# Altium PCB roach2.PcbDoc (part 30 of 39)
Units mil, origin at the board's own origin, x right, y up, seen from the top; angles counter-clockwise.
Board outline 12007.87 x 9606.3 mil, 16 copper layers (L1_TOP, L2_G, L3_S, L4_G, L5_S, L6_P, L7_G, L8_R, L9_R, L10_P, L11_P, L12_S, L13_P, L14_S, L15_G, L16_BOT), stack 81.651 mil thick; 1608 components, 1934 nets, 9335 pads, 6759 vias.
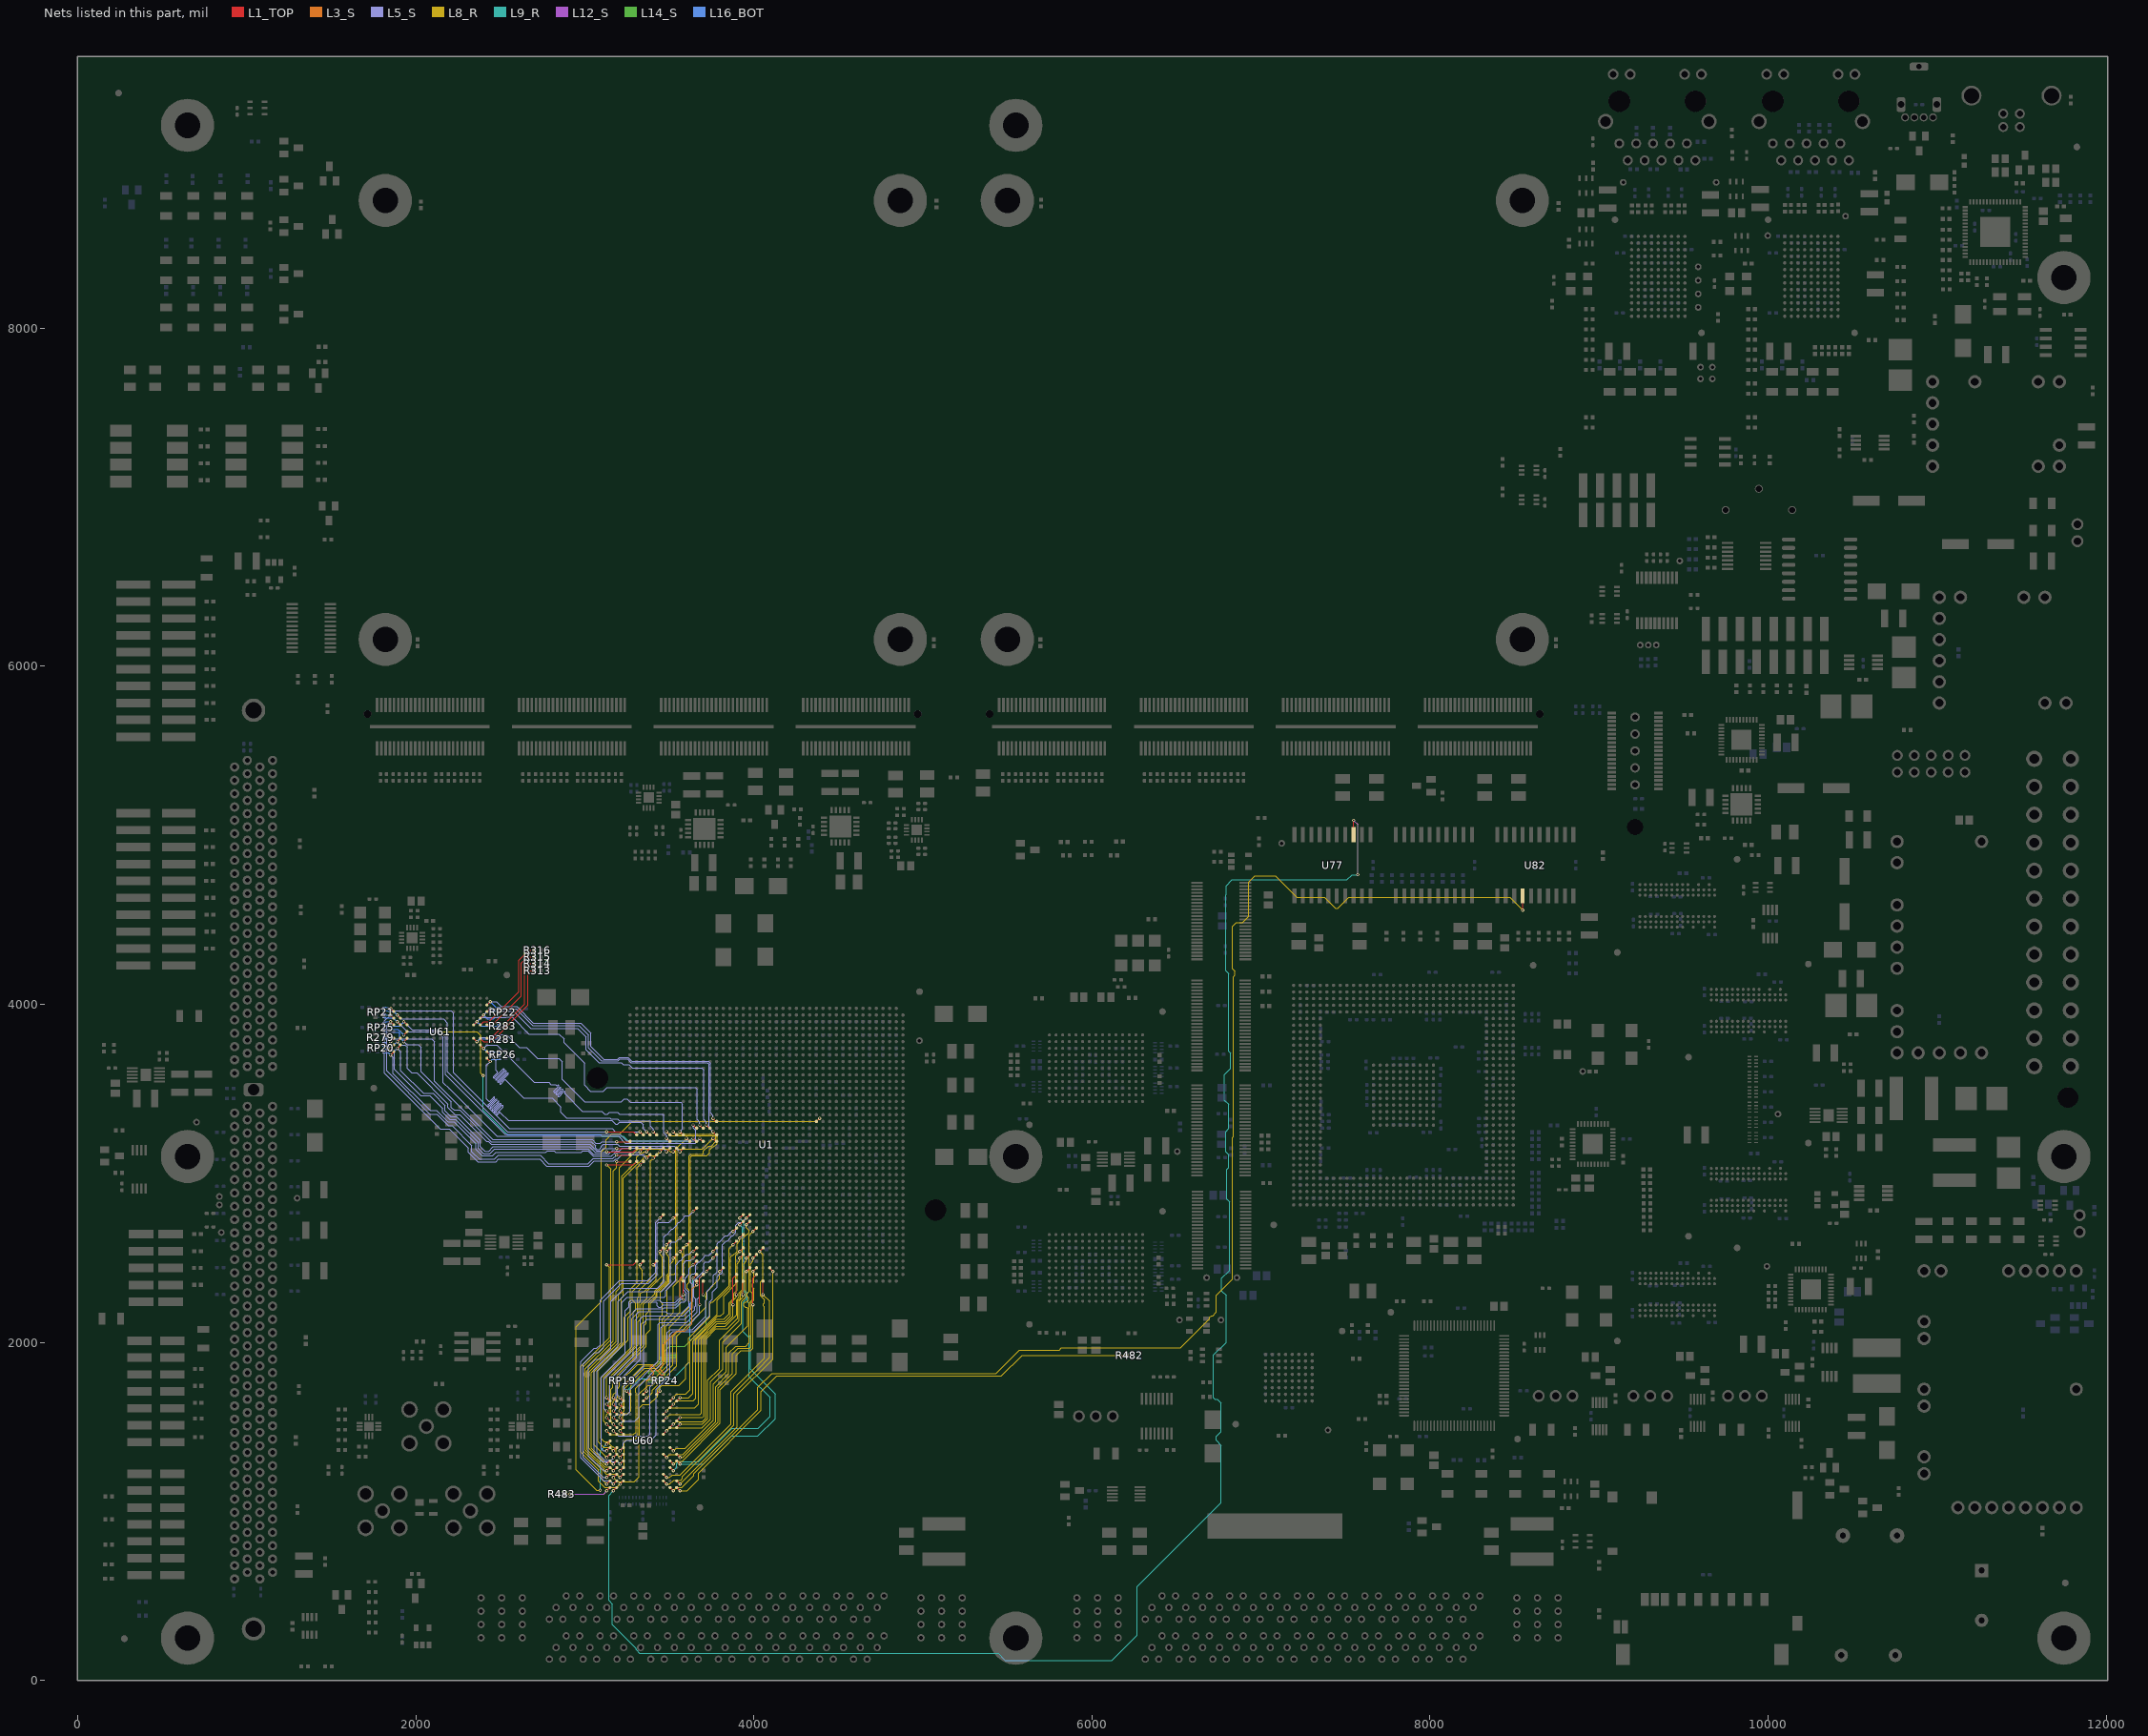
[diagram p44: the nets of this part, all layers, seen from the top]

## Via types
v1: diameter 19.4, hole 10, L1_TOP to L16_BOT, tented both sides, 3354 vias
v2: diameter 19.4, hole 10, L1_TOP to L16_BOT, 1884 vias
v3: diameter 19.4, hole 10, L1_TOP to L16_BOT, tented top, 410 vias
v4: diameter 18.6, hole 10, L1_TOP to L16_BOT, tented both sides, 311 vias
v5: diameter 59.06, hole 39.37, L1_TOP to L16_BOT, 217 vias
v6: diameter 19, hole 10, L1_TOP to L16_BOT, 198 vias
v7: diameter 19.4, hole 10.04, L1_TOP to L16_BOT, 125 vias
v8: diameter 19.4, hole 10, L1_TOP to L16_BOT, tented bottom, 80 vias
v9: diameter 25.98, hole 12.99, L1_TOP to L16_BOT, tented top, 59 vias
v10: diameter 20, hole 10, L1_TOP to L16_BOT, 52 vias
v11: diameter 59.06, hole 39.37, L1_TOP to L16_BOT, tented top, 44 vias
v12: diameter 20, hole 10, L1_TOP to L16_BOT, tented top, 16 vias
v13: diameter 19, hole 10, L1_TOP to L16_BOT, tented top, 5 vias
v14: diameter 50, hole 28, L1_TOP to L16_BOT, 4 vias

## Nets (pads, with @x,y where several pads share a name; then routed paths per layer and width w, separated by ;. In a path a pad name is that pad's centre, name@x,y a point inside that pad or via, vN(x,y) a via of type N, cw(c..) or ccw(c..) an arc to the next point about the centre after c; other vN are vias at no path point) (continued)
QDR2.D18: U1.AJ37 U60.B3 | length 1334.8
  L1_TOP w5: v1(3208.66,1673.23) U60.B3@3228.35,1653.54 ; v1(3758.94,2537.83) U1.AJ37@3778.63,2557.52
  L5_S w3.8: v1(3208.66,1673.23) 3193.06,1688.83 3193.06,1765.06 3327.99,1899.99 3327.99,1957.99 ; 3327.99,1954.99 3327.99,1957.99 ; v1(3758.94,2537.83) 3735.17,2514.06 3713.11,2514.06 3703.97,2504.92 3703.97,2500.17 3678.5,2474.69 3673.74,2474.69 3656.43,2457.38 3656.43,2413.26 3647.3,2404.12 3636.12,2404.12 3625.23,2393.23 3625.23,2354.96 3636.75,2343.45 3636.75,2240.85 3625.23,2229.34 3625.23,2200.23 3582.99,2157.99 3345.99,2157.99 3327.99,2139.99 3327.99,1957.99
QDR2.D19: U1.AJ38 U60.C3 | length 1300.7
  L1_TOP w5: v1(3208.66,1633.86) U60.C3@3228.35,1614.17 ; v1(3758.94,2498.46) U1.AJ38@3778.63,2518.15
  L5_S w3.8: v1(3208.66,1633.86) 3230.99,1656.19 3230.99,1740.99 3348.99,1858.99 3348.99,2115.99 3369.99,2136.99 3591.99,2136.99 3649.99,2194.99 3649.99,2209.97 3656.43,2216.41 3656.43,2254.81 3644.92,2266.33 3644.92,2362.38 3703.97,2421.43 3703.97,2465.55 3713.11,2474.69 3735.17,2474.69 v1(3758.94,2498.46)
QDR2.D20: U1.AM39 U60.D2 | length 1300.1
  L1_TOP w5: v1(3169.29,1594.49) U60.D2@3188.98,1574.8 ; v1(3640.83,2459.09) U1.AM39@3660.52,2478.78
  L5_S w3.8: v1(3169.29,1594.49) 3173.49,1594.49 3184.89,1605.89 3184.89,1785.89 3307.99,1908.99 3307.99,2168.99 3321.99,2182.99 3478.99,2182.99 3489.59,2172.39 3573.04,2172.39 3617.06,2216.41 3617.06,2237.92 3613.99,2240.99 3613.99,2297.99 3592.99,2318.99 3592.99,2380.05 3617.06,2404.12 3617.06,2435.32 v1(3640.83,2459.09)
QDR2.D21: U1.AL41 U60.F3 | length 1242.2
  L1_TOP w5: v1(3208.66,1515.75) U60.F3@3228.35,1496.06 ; v2(3680.2,2222.87) 3680.2,2380.35 U1.AL41@3699.89,2400.04
  L5_S w3.8: v1(3208.66,1515.75) 3225.9,1532.99 3293.99,1532.99 3319.99,1558.99 3319.99,1740.99 3450.99,1871.99 3450.99,2085.99 3467.99,2102.99 3615.99,2102.99 3680.2,2167.2 v2(3680.2,2222.87)
QDR2.D22: U1.AF34 U60.G2 | length 1786.2
  L1_TOP w5: v1(3169.29,1476.38) U60.G2@3188.98,1456.69 ; v1(3877.05,2655.94) U1.AF34@3896.74,2675.63
  L5_S w3.8: v1(3169.29,1476.38) 3199.68,1445.99 3372.99,1445.99 3384.99,1457.99 3384.99,1735.99 3487.99,1838.99 3487.99,1913.99 ; 3487.99,1910.99 3487.99,1913.99 ; v1(3877.05,2655.94) 3868.88,2655.94 3845.11,2632.17 3831.22,2632.17 3813.91,2614.87 3813.91,2610.11 3796.61,2592.8 3791.85,2592.8 3782.71,2583.67 3782.71,2417.71 3761.99,2396.99 3761.99,2341.99 3723.66,2303.66 3723.66,2254.66 3715.99,2246.99 3715.99,2154.99 3636.99,2075.99 3505.99,2075.99 3487.99,2057.99 3487.99,1913.99
QDR2.D23: U1.AD32 U60.J3 | length 1923.5
  L1_TOP w5: v1(3208.66,1358.27) U60.J3@3228.35,1377.95 ; v1(3955.79,2734.68) U1.AD32@3975.48,2754.37
  L5_S w3.8: v1(3208.66,1358.27) 3219.49,1369.1 3219.49,1369.49 3227.99,1377.99 3227.99,1402.99 3245.99,1420.99 3390.99,1420.99 3422.99,1452.99 3422.99,1722.99 3504.99,1804.99 3504.99,2046.99 3521.99,2063.99 3644.99,2063.99 3738.99,2157.99 3738.99,2238.99 3754.86,2254.86 3754.86,2297.86 3763.99,2306.99 ; 3762.99,2306.99 3763.99,2306.99 ; v1(3955.79,2734.68) 3932.02,2710.91 3909.96,2710.91 3892.65,2693.61 3892.65,2649.48 3875.35,2632.17 3870.59,2632.17 3861.45,2623.04 3861.45,2618.28 3844.15,2600.97 3836.9,2600.97 3813.91,2577.99 3813.91,2413.26 3804.78,2404.12 3797.99,2404.12 3781.99,2388.12 3781.99,2324.99 3763.99,2306.99
QDR2.D24: U1.AP35 U60.L3 | length 1844.2
  L1_TOP w5: v1(3208.66,1279.53) U60.L3@3228.35,1299.21 ; v1(3562.09,2616.57) U1.AP35@3581.78,2636.26
  L5_S w3.8: v1(3208.66,1279.53) 3193.06,1295.13 3105.86,1295.13 3056.99,1343.99 3056.99,1837.99 3196.99,1977.99 3196.99,2241.99 3254.99,2299.99 3451.99,2299.99 3507.12,2355.12 3507.12,2583.67 3516.26,2592.8 3538.32,2592.8 v1(3562.09,2616.57)
QDR2.D25: U1.AR20 U60.M3 | length 2649.4
  L1_TOP w5: v1(3208.66,1239.53) U60.M3@3228.35,1259.21 ; v1(3522.72,3246.5) 3542.09,3227.13 U1.AR20@3542.41,3226.81
  L8_R w3.8: v1(3208.66,1239.53) 3232.43,1263.29 3232.43,1410.43 3248,1426 3296,1426 3316,1446 3316,1688 3374,1746 3400,1746 3520,1866 3520,2036 3598,2114 3598,2170 3636.75,2208.75 3636.75,2343.45 3625.23,2354.96 3625.23,3095.48 3634.37,3104.61 3720.61,3104.61 3738,3122 3738,3138 3758,3158 3764,3158 3782.34,3176.34 3782.34,3216.82 3768.64,3230.53 3538.69,3230.53 v1(3522.72,3246.5)
QDR2.D26: U1.AF36 U60.N2 | length 1917
  L1_TOP w5: v1(3169.29,1200.16) U60.N2@3188.98,1219.84 ; v1(3877.05,2577.2) U1.AF36@3896.74,2596.89
  L8_R w3.8: v1(3169.29,1200.16) 3192.43,1177.02 3293.86,1177.02 3320,1203.15 3320,1435.17 3323.8,1438.97 3323.8,1611.8 3344,1632 3380,1632 3429.28,1681.28 3429.28,1719.06 3456.22,1746 3558,1746 3596,1784 3596,1863.48 3613.42,1880.9 3613.42,2025.42 3740,2152 3740,2228 3750,2238 3752.01,2238 3752.48,2238.47 3758.47,2238.47 3853.65,2333.65 3853.65,2553.8 v1(3877.05,2577.2)
QDR2.D27: U1.AM38 U60.C1 | length 1305.6
  L1_TOP w5: v1(3129.92,1633.86) U60.C1@3149.61,1614.17 ; v1(3640.83,2498.46) U1.AM38@3660.52,2518.15
  L5_S w3.8: v1(3129.92,1633.86) 3149.99,1653.93 3149.99,1777.99 3287.99,1915.99 3287.99,2178.99 3307.99,2198.99 3464.99,2198.99 3470.02,2204.02 3536.96,2204.02 3571.79,2238.86 3589.56,2238.86 3600.99,2250.29 3600.99,2292.99 3581.99,2311.99 3581.99,2464.23 3600.62,2482.86 3625.23,2482.86 v1(3640.83,2498.46)
  L16_BOT w10: v1(3640.83,2498.46) v1@3640.83,2500.43
QDR2.D28: U1.AP41 U60.D1 | length 1255.2
  L1_TOP w5: v1(3129.92,1594.49) U60.D1@3149.61,1574.8 ; U1.AP41@3581.78,2400.04 3562.09,2380.35 3562.09,2275.46 v2(3583.09,2254.46)
  L5_S w3.8: v1(3129.92,1594.49) 3127.49,1594.49 3114.32,1607.66 3114.32,1784.32 3270.9,1940.9 3270.9,2229.34 3280.04,2238.47 3421.51,2238.47 3428.38,2231.6 3428.38,2216.41 3437.52,2207.27 3450.44,2207.27 3465.16,2221.99 3536.99,2221.99 3569.46,2254.46 v2(3583.09,2254.46)
QDR2.D29: U1.AK40 U60.E2 | length 1279.5
  L1_TOP w5: v1(3169.29,1555.12) U60.E2@3188.98,1535.43 ; v1(3719.57,2419.72) U1.AK40@3739.26,2439.41
  L5_S w3.8: v1(3169.29,1555.12) 3187.16,1572.99 3248.99,1572.99 3266.99,1590.99 3266.99,1720.99 3433.99,1887.99 3433.99,1896.99 ; 3433.99,1898.99 3433.99,1896.99 ; v1(3719.57,2419.72) 3680,2380.15 3680,2270.21 3664.6,2254.81 3664.6,2179.6 3602.99,2117.99 3444.99,2117.99 3433.42,2106.42 3433.42,1897.56 3433.99,1896.99
QDR2.D30: U1.AT20 U60.G1 | length 2580.1
  L1_TOP w5: v1(3129.92,1476.38) U60.G1@3149.61,1456.69 ; v1(3483.35,3246.5) 3502.72,3227.13 U1.AT20@3503.04,3226.81
  L8_R w3.8: v1(3129.92,1476.38) 3152.3,1454 3288,1454 3303,1469 3303,1703 3302,1704 3302,1728 3354,1780 3406,1780 3500,1874 3500,2090 3617.06,2207.06 3617.06,2309.87 3605.55,2321.38 3605.55,2343.45 3617.06,2354.96 3617.06,3103.06 3626.78,3112.78 3695.8,3112.78 3702,3118.98 3702,3132.87 3731.13,3162 3748,3162 3774.54,3188.54 3774.54,3213.59 3765.41,3222.73 3507.12,3222.73 v1(3483.35,3246.5)
QDR2.D31: U1.AP42 U60.J1 | length 1430.7
  L1_TOP w5: v1(3129.92,1358.27) U60.J1@3149.61,1377.95 ; v2(3581.78,2281.93) U1.AP42@3581.78,2360.67
  L5_S w3.8: v1(3129.92,1358.27) 3129.19,1358.99 3109.99,1358.99 3096.99,1371.99 3096.99,1794.99 3239.99,1937.99 3239.99,2188.99 3262.73,2211.73 3262.73,2239.73 3272.99,2249.99 3441.5,2249.99 3456.63,2234.86 3534.71,2234.86 v2(3581.78,2281.93)
QDR2.D32: U1.AM37 U60.K2 | length 1751
  L1_TOP w5: v1(3169.29,1318.9) U60.K2@3188.98,1338.58 ; v1(3640.83,2537.83) U1.AM37@3660.52,2557.52
  L5_S w3.8: v1(3169.29,1318.9) 3169.29,1314.29 3157.93,1302.93 3118.06,1302.93 3071.99,1348.99 3071.99,1829.99 3219.99,1977.99 3219.99,2236.99 3249.33,2266.33 3470.13,2266.33 3479.27,2275.47 3479.27,2305.7 3538.32,2364.75 3538.32,2457.38 3563.8,2482.86 3568.56,2482.86 3577.69,2492 3577.69,2496.94 3602.99,2522.23 3617.06,2522.23 3632.66,2537.83 v1(3640.83,2537.83)
QDR2.D33: U1.AM31 U60.M1 | length 2051.9
  L1_TOP w5: v1(3129.92,1240.16) U60.M1@3149.61,1259.84 ; v1(3640.83,2774.05) U1.AM31@3660.52,2793.74
  L5_S w3.8: v1(3129.92,1240.16) 3110.83,1240.16 3022.99,1327.99 3022.99,1857.99 3064.99,1899.99 3088.99,1899.99 3154.99,1965.99 3154.99,2242.99 3233.38,2321.38 3430.76,2321.38 3467.38,2358.01 3467.38,2622.67 3485.06,2640.34 3489.81,2640.34 3498.95,2649.48 3498.95,2654.24 3516.26,2671.54 3521.01,2671.54 3546.49,2697.02 3546.49,2701.78 3555.63,2710.91 3560.39,2710.91 3585.86,2736.39 3585.86,2741.15 3595,2750.28 3617.06,2750.28 v1(3640.83,2774.05)
QDR2.D34: U1.AR32 U60.N1 | length 2024.1
  L1_TOP w5: v1(3129.92,1200.79) U60.N1@3149.61,1220.47 ; v1(3522.72,2734.68) U1.AR32@3542.41,2754.37
  L5_S w3.8: v1(3129.92,1200.79) 3108.2,1200.79 2989.99,1318.99 2989.99,1870.99 3058.99,1939.99 3081.99,1939.99 3111.99,1969.99 3111.99,2243.99 3216.99,2348.99 3376.99,2348.99 3428.38,2400.38 3428.38,2701.78 3437.52,2710.91 3498.95,2710.91 v1(3522.72,2734.68)
QDR2.D35: U1.AU32 U60.P2 | length 2031.6
  L1_TOP w5: v1(3169.29,1161.42) U60.P2@3188.98,1181.1 ; v1(3443.98,2734.68) U1.AU32@3463.67,2754.37
  L5_S w3.8: v1(3169.29,1161.42) 3169.29,1162.69 3149.99,1181.99 3111.99,1181.99 2975.99,1317.99 2975.99,1885.66 3055.99,1965.66 3070.78,1965.66 3091.54,1986.42 3091.54,2251.54 3204.75,2364.75 3371.7,2364.75 3420.21,2413.26 3420.21,2710.91 v1(3443.98,2734.68)
QDR2.DOFFN: U1.P18 U60.H1 | length 3876.9
  L1_TOP w5: v1(3129.92,1397.64) U60.H1@3149.61,1417.32 ; U1.P18@4369.18,3305.55 4370.4,3306.77 v1(4388.87,3325.24)
  L8_R w3.8: v2(3090.99,1124.99) 3070.99,1124.99 2948.99,1246.99 2948.99,2090.99 3098.99,2240.99 3098.99,3126.99 3126.99,3154.99 3126.99,3198.99 3160.99,3232.99 3206.99,3232.99 3280.99,3306.99 4370.62,3306.99 v1(4388.87,3325.24)
  L9_R w3.8: v2(3090.99,1124.99) 3090.99,1358.71 v1(3129.92,1397.64)
QDR2.K: U1.AH40 U60.B6 | length 983
  L1_TOP w5: U60.B6@3346.46,1653.54 v1(3366.14,1673.23) ; v1(3798.31,2419.72) U1.AH40@3818,2439.41
  L8_R w3.8: v1(3366.14,1673.23) 3369.23,1673.23 3400,1704 3400,1718 3542.56,1860.56 3542.56,2034.56 3718,2210 3718,2296 3798.31,2376.31 v1(3798.31,2419.72)
QDR2.KN: U1.AM42 U60.A6 | length 983
  L1_TOP w5: U60.A6@3346.46,1692.91 v1(3366.14,1712.6) ; v1(3661.42,2341.42) U1.AM42@3661.42,2362.2
  L3_S w3.94: v1(3366.14,1712.6) 3366.14,1771.65 3405.72,1811.23 ccw(c3398.71,1818.23) 3405.72,1825.24 3387.71,1843.24 cw(c3394.72,1850.24) 3387.71,1857.25 cw(c3394.72,1850.24) 3401.72,1857.25 3426.73,1832.24 3451.73,1807.24 ccw(c3458.74,1814.24) 3465.74,1807.24 ccw(c3458.74,1814.24) 3465.74,1821.24 3447.74,1839.24 cw(c3454.75,1846.25) 3447.74,1853.25 3464.57,1870.08 3464.57,1988.19 3543.31,2066.93 3590.55,2066.93 3633.86,2110.24 3633.86,2313.86 v1(3661.42,2341.42)
QDR2.Q0: U1.AA40 U60.P11 | length 1541.9
  L1_TOP w5: U60.P11@3543.31,1181.1 v1(3562.99,1161.42) ; U1.AA40@4093.59,2439.41 v1(4113.28,2419.72)
  L8_R w3.8: v1(3562.99,1161.42) 3902.56,1500.99 3902.56,1690.56 4112.56,1900.56 4112.56,2419.01 v1(4113.28,2419.72)
QDR2.Q1: U1.AE33 U60.M10 | length 1995.9
  L1_TOP w5: U60.M10@3503.94,1259.84 v1(3523.62,1240.16) ; v1(3916.42,2695.31) U1.AE33@3936.11,2715
  L9_R w3.8: v1(3523.62,1240.16) 3544,1260.53 3544,1284 3555.13,1295.13 3673.13,1295.13 3870,1492 4026.06,1492 4096,1561.94 4096,1674 3973.42,1796.58 3973.42,2027.67 3936,2065.09 3936,2236 3951.71,2251.71 3951.71,2288.39 3932.02,2308.08 3932.02,2679.71 v1(3916.42,2695.31)
QDR2.Q2: U1.AE32 U60.L11 | length 2003.4
  L1_TOP w5: U60.L11@3543.31,1299.21 v1(3562.99,1279.53) ; v1(3916.42,2734.68) U1.AE32@3936.11,2754.37
  L9_R w3.8: v1(3562.99,1279.53) 3701.53,1279.53 3868,1446 4024,1446 4126,1548 4126,1696 3981.22,1840.78 3981.22,2030.9 3971.39,2040.72 3971.39,2229.34 3959.51,2241.22 3959.51,2291.62 3940.19,2310.94 3940.19,2710.91 v1(3916.42,2734.68)
QDR2.Q3: U1.AC40 U60.K11 | length 1402.5
  L1_TOP w5: U60.K11@3543.31,1338.58 v1(3562.99,1318.9) ; v1(3995.16,2419.72) U1.AC40@4014.85,2439.41
  L8_R w3.8: v1(3562.99,1318.9) 3578.9,1318.9 3788.99,1528.99 3788.99,1729.99 3873.99,1814.99 3873.99,1931.99 3906.99,1964.99 3974.99,1964.99 3983.99,1973.99 3983.99,2211.98 3979.56,2216.41 3979.56,2229.34 3999.99,2249.76 3999.99,2318.75 3991.45,2327.29 3991.45,2346.68 3999.99,2355.22 3999.99,2407.47 3991.45,2416.01 v1(3995.16,2419.72)
QDR2.Q4: U1.AC34 U60.J10 | length 1620.6
  L1_TOP w5: U60.J10@3503.94,1377.95 v1(3523.62,1358.27) ; v1(3995.16,2655.94) U1.AC34@4014.85,2675.63
  L8_R w3.8: v1(3523.62,1358.27) 3539.35,1373.99 3594.99,1373.99 3760.99,1539.99 3760.99,1559.99 ; 3760.99,1561.99 3760.99,1559.99 ; v1(3995.16,2655.94) 3971.76,2632.54 3971.76,2300.27 3959.88,2288.39 3959.88,2272.65 3968.99,2263.54 3968.99,2248.99 3958.47,2238.47 3949.33,2238.47 3940.19,2229.34 3940.19,2216.41 3949.33,2207.27 3958.71,2207.27 3962.99,2202.99 3962.99,2096.99 3835.99,1969.99 3835.99,1827.99 3760.99,1752.99 3760.99,1559.99
QDR2.Q5: U1.AE42 U60.F11 | length 1107.7
  L1_TOP w5: U60.F11@3543.31,1496.06 v1(3562.99,1515.75) ; v2(3936.11,2281.93) U1.AE42@3936.11,2360.67
  L8_R w3.8: v1(3562.99,1515.75) 3695.75,1515.75 3727.99,1547.99 3727.99,1557.99 ; 3727.99,1559.99 3727.99,1557.99 ; v2(3936.11,2281.93) 3936.11,2267.11 3912.99,2243.99 3912.99,2128.99 3796.99,2012.99 3795.99,2012.99 3795.99,1844.99 3727.99,1776.99 3727.99,1557.99
QDR2.Q6: U1.AD33 U60.E11 | length 1483.3
  L1_TOP w5: U60.E11@3543.31,1535.43 v1(3562.99,1555.12) ; v1(3955.79,2695.31) U1.AD33@3975.48,2715
  L8_R w3.8: v1(3562.99,1555.12) 3697.12,1555.12 3704.99,1562.99 3704.99,2022.99 3777.99,2095.99 3829.99,2095.99 3897.39,2163.39 3897.39,2250.45 3912.71,2265.77 3912.71,2291.62 3932.39,2311.3 3932.39,2615.24 3957.5,2640.34 3962.26,2640.34 3971.39,2649.48 3971.39,2662.41 3955.79,2678.01 v1(3955.79,2695.31)
QDR2.Q7: U1.AE38 U60.C10 | length 1168.9
  L1_TOP w5: U60.C10@3503.94,1614.17 v1(3523.62,1633.86) ; v1(3916.42,2498.46) U1.AE38@3936.11,2518.15
  L8_R w3.8: v1(3523.62,1633.86) 3544.75,1654.99 3642.99,1654.99 3656.99,1668.99 3656.99,1822.99 ; 3656.99,1824.99 3656.99,1822.99 ; v1(3916.42,2498.46) 3916.42,2481.15 3900.82,2465.55 3900.82,2308.07 3881.14,2288.39 3881.14,2261.17 3853.65,2233.68 3853.65,2222.36 3853.28,2221.99 3853.28,2167.28 3822.99,2136.99 3777.99,2136.99 3656.99,2015.99 3656.99,1822.99
QDR2.Q8: U1.AE37 U60.B11 | length 1107.2
  L1_TOP w5: U60.B11@3543.31,1653.54 v1(3562.99,1673.23) ; v1(3916.42,2537.83) U1.AE37@3936.11,2557.52
  L8_R w3.8: v1(3562.99,1673.23) 3614.23,1673.23 3637.99,1696.99 3637.99,2008.99 3784.99,2155.99 3802.99,2155.99 3822.08,2175.08 3822.08,2274.08 3893.02,2345.02 3893.02,2514.43 v1(3916.42,2537.83)
QDR2.Q9: U1.AB42 U60.P9 | length 1531.3
  L1_TOP w5: U60.P9@3464.57,1181.1 v1(3484.25,1161.42) ; v2(4054.22,2281.93) U1.AB42@4054.22,2360.67
  L8_R w3.8: v1(3484.25,1161.42) 3501.56,1161.42 3525.33,1185.19 3569.46,1185.19 3578.59,1194.32 3578.59,1207.59 3880.99,1509.99 3880.99,1697.99 4059.2,1876.2 4059.2,1877.2 4092.99,1910.99 4092.99,2243.16 v2(4054.22,2281.93)
QDR2.Q10: U1.AB37 U60.N9 | length 1695.8
  L1_TOP w5: U60.N9@3464.57,1220.47 v1(3484.25,1200.79) ; v1(4034.53,2537.83) U1.AB37@4054.22,2557.52
  L8_R w3.8: v1(3484.25,1200.79) 3501.56,1200.79 3517.16,1216.39 3564.39,1216.39 3863.99,1515.99 3863.99,1708.99 4060.99,1905.99 4060.99,2212.46 4057.81,2215.65 4057.81,2228.75 4060.99,2231.94 4060.99,2251.99 4038.62,2274.36 4038.62,2358.62 4053.99,2373.99 4053.99,2518.38 v1(4034.53,2537.83)
QDR2.Q11: U1.AC41 U60.L10 | length 1405.1
  L1_TOP w5: U60.L10@3503.94,1299.21 v1(3523.62,1279.53) ; v2(3995.16,2222.87) 3995.16,2380.35 U1.AC41@4014.85,2400.04
  L8_R w3.8: v1(3523.62,1279.53) 3542.09,1297.99 3575.99,1297.99 3800,1522 3800,1721 3895.99,1816.99 3895.99,1922.99 3923.99,1950.99 3980.99,1950.99 3995.16,1965.16 v2(3995.16,2222.87)
QDR2.Q12: U1.AC38 U60.K9 | length 1538.5
  L1_TOP w5: U60.K9@3464.57,1338.58 v1(3484.25,1318.9) ; v1(3995.16,2498.46) U1.AC38@4014.85,2518.15
  L8_R w3.8: v1(3484.25,1318.9) 3501.35,1335.99 3579.99,1335.99 3774.99,1530.99 3774.99,1737.99 3851.99,1814.99 3851.99,1935.99 3893.56,1977.56 3952.67,1977.56 3973.42,1998.32 3973.42,2211.53 3971.76,2213.18 3971.76,2232.57 3991.08,2251.88 3991.08,2288.39 3979.56,2299.91 3979.56,2465.55 3995.16,2481.15 v1(3995.16,2498.46)
QDR2.Q13: U1.AD40 U60.G9 | length 1306.3
  L1_TOP w5: U60.G9@3464.57,1456.69 v1(3484.25,1476.38) ; v1(3955.79,2419.72) U1.AD40@3975.48,2439.41
  L8_R w3.8: v1(3484.25,1476.38) 3501.87,1493.99 3692.99,1493.99 3742.99,1543.99 3742.99,1767.99 3816.99,1841.99 3816.99,2000.99 3926.99,2110.99 3926.99,2240.99 3952.08,2266.08 3952.08,2416.01 v1(3955.79,2419.72)
QDR2.Q14: U1.AD38 U60.F10 | length 1348.2
  L1_TOP w5: U60.F10@3503.94,1496.06 v1(3523.62,1515.75) ; v1(3955.79,2498.46) U1.AD38@3975.48,2518.15
  L8_R w3.8: v1(3523.62,1515.75) 3539.86,1531.99 3696.99,1531.99 3714.99,1549.99 3714.99,2020.09 3775.89,2080.99 3841.99,2080.99 3905.19,2144.19 3905.19,2247.22 3920.51,2262.54 3920.51,2288.39 3940.19,2308.07 3940.19,2465.55 3955.79,2481.15 v1(3955.79,2498.46)
QDR2.Q15: U1.AF41 U60.E9 | length 1180
  L1_TOP w5: U60.E9@3464.57,1535.43 v1(3484.25,1555.12) ; v2(3877.05,2222.87) 3877.05,2380.35 U1.AF41@3896.74,2400.04
  L8_R w3.8: v1(3484.25,1555.12) 3503.12,1573.99 3682.99,1573.99 3689.99,1580.99 3689.99,2020.99 3781.99,2112.99 3834.99,2112.99 3877.05,2155.05 v2(3877.05,2222.87)
QDR2.Q16: U1.AF42 U60.D9 | length 1081
  L1_TOP w5: U60.D9@3464.57,1574.8 v1(3484.25,1594.49) ; v2(3896.74,2281.93) U1.AF42@3896.74,2360.67
  L8_R w3.8: v1(3484.25,1594.49) 3501.75,1611.99 3649.99,1611.99 3671.99,1633.99 3671.99,2016.99 3776.99,2121.99 3826.99,2121.99 3861.45,2156.45 3861.45,2230.45 3896.74,2265.74 v2(3896.74,2281.93)
QDR2.Q17: U1.AE35 U60.B10 | length 1196.9
  L1_TOP w5: U60.B10@3503.94,1653.54 v1(3523.62,1673.23) ; v1(3916.42,2616.57) U1.AE35@3936.11,2636.26
  L8_R w3.8: v1(3523.62,1673.23) 3544.38,1693.99 3597.99,1693.99 3622.99,1718.99 3622.99,2006.99 3782.71,2166.71 3782.71,2250.71 3861.45,2329.45 3861.45,2504.92 3870.59,2514.06 3877.06,2514.06 3900.82,2537.82 3900.82,2583.67 3916.42,2599.27 v1(3916.42,2616.57)
QDR2.Q18: U1.AR38 U60.B2 | length 1027.3
  L1_TOP w5: v1(3169.29,1673.23) U60.B2@3188.98,1653.54 ; v1(3522.72,2498.46) U1.AR38@3542.41,2518.15
  L8_R w3.8: v1(3169.29,1673.23) 3169.29,1690.54 3184.89,1706.14 3184.89,1798.89 3362.56,1976.56 3362.56,2048.56 3389.01,2075.01 3389.01,2229.34 3428.79,2269.12 3428.79,2296.43 3491.52,2359.16 3491.52,2393.28 3507.12,2408.88 3507.12,2465.55 3522.72,2481.15 v1(3522.72,2498.46)
QDR2.Q19: U1.AJ21 U60.D3 | length 2025.3
  L1_TOP w5: v1(3208.66,1594.49) U60.D3@3228.35,1574.8 ; v1(3758.94,3207.13) U1.AJ21@3778.63,3187.44
  L8_R w3.8: v1(3208.66,1594.49) 3208.66,1611.8 3224.26,1627.4 3224.26,1740.26 3344,1860 3424,1860 3458,1894 3458,2136 3487.44,2165.44 3487.44,2181.44 3487.39,2181.49 3487.39,2194.46 3487.44,2194.5 3487.44,2315.44 3546.49,2374.49 3546.49,3134.85 3555.63,3143.98 3695.8,3143.98 v1(3758.94,3207.13)
QDR2.Q20: U1.AP37 U60.E3 | length 1241.6
  L1_TOP w5: v1(3208.66,1555.12) U60.E3@3228.35,1535.43 ; v1(3562.09,2537.83) U1.AP37@3581.78,2557.52
  L8_R w3.8: v1(3208.66,1555.12) 3208.66,1572.43 3232.06,1595.83 3232.06,1725.06 3353,1846 3428,1846 3470,1888 3470,2124 3522.99,2176.99 3522.99,2330.99 3577.69,2385.69 3577.69,2522.23 v1(3562.09,2537.83)
QDR2.Q21: U1.AT37 U60.F2 | length 1233.7
  L1_TOP w5: v1(3169.29,1515.75) U60.F2@3188.98,1496.06 ; v1(3483.35,2537.83) U1.AT37@3503.04,2557.52
  L8_R w3.8: v1(3169.29,1515.75) 3153.69,1531.35 3153.69,1721.69 3165.99,1733.99 3165.99,1798.99 3350.99,1983.99 3350.99,2099.99 3363.99,2112.99 3363.99,2167.99 3380.99,2184.99 3380.99,2235.99 3420.99,2275.99 3420.99,2299.99 3483.72,2362.72 3483.72,2396.51 3498.95,2411.74 3498.95,2504.92 3483.35,2520.52 v1(3483.35,2537.83)
QDR2.Q22: U1.AN36 U60.G3 | length 1368.2
  L1_TOP w5: v1(3208.66,1476.38) U60.G3@3228.35,1456.69 ; v1(3601.46,2577.2) U1.AN36@3621.15,2596.89
  L8_R w3.8: v1(3208.66,1476.38) 3225.99,1493.71 3225.99,1563.99 3240.89,1578.89 3254.49,1578.89 3271.8,1596.2 3271.8,1741.8 3364,1834 3434,1834 3480,1880 3480,2096 3563.99,2179.99 3563.99,2360.96 3585.86,2382.83 3585.86,2561.6 v1(3601.46,2577.2)